# Altium PCB RFFE.PcbDoc (part 3 of 7)
Units mm, origin at the board's own origin, x right, y up, seen from the top; angles counter-clockwise.
Board outline 301.13 x 195.92 mm, 10 copper layers (RFsignal Top, Ground RF signal, Supply, SupplyGND, Digital signal, DigitalGND, CallTone RF, Ground Calltone, Ground RF signal (Plane6), RFsignal Bottom), stack 1.907 mm thick; 558 components, 369 nets, 2153 pads, 4580 vias.
Unrouted connection lines stored in the file: 1.
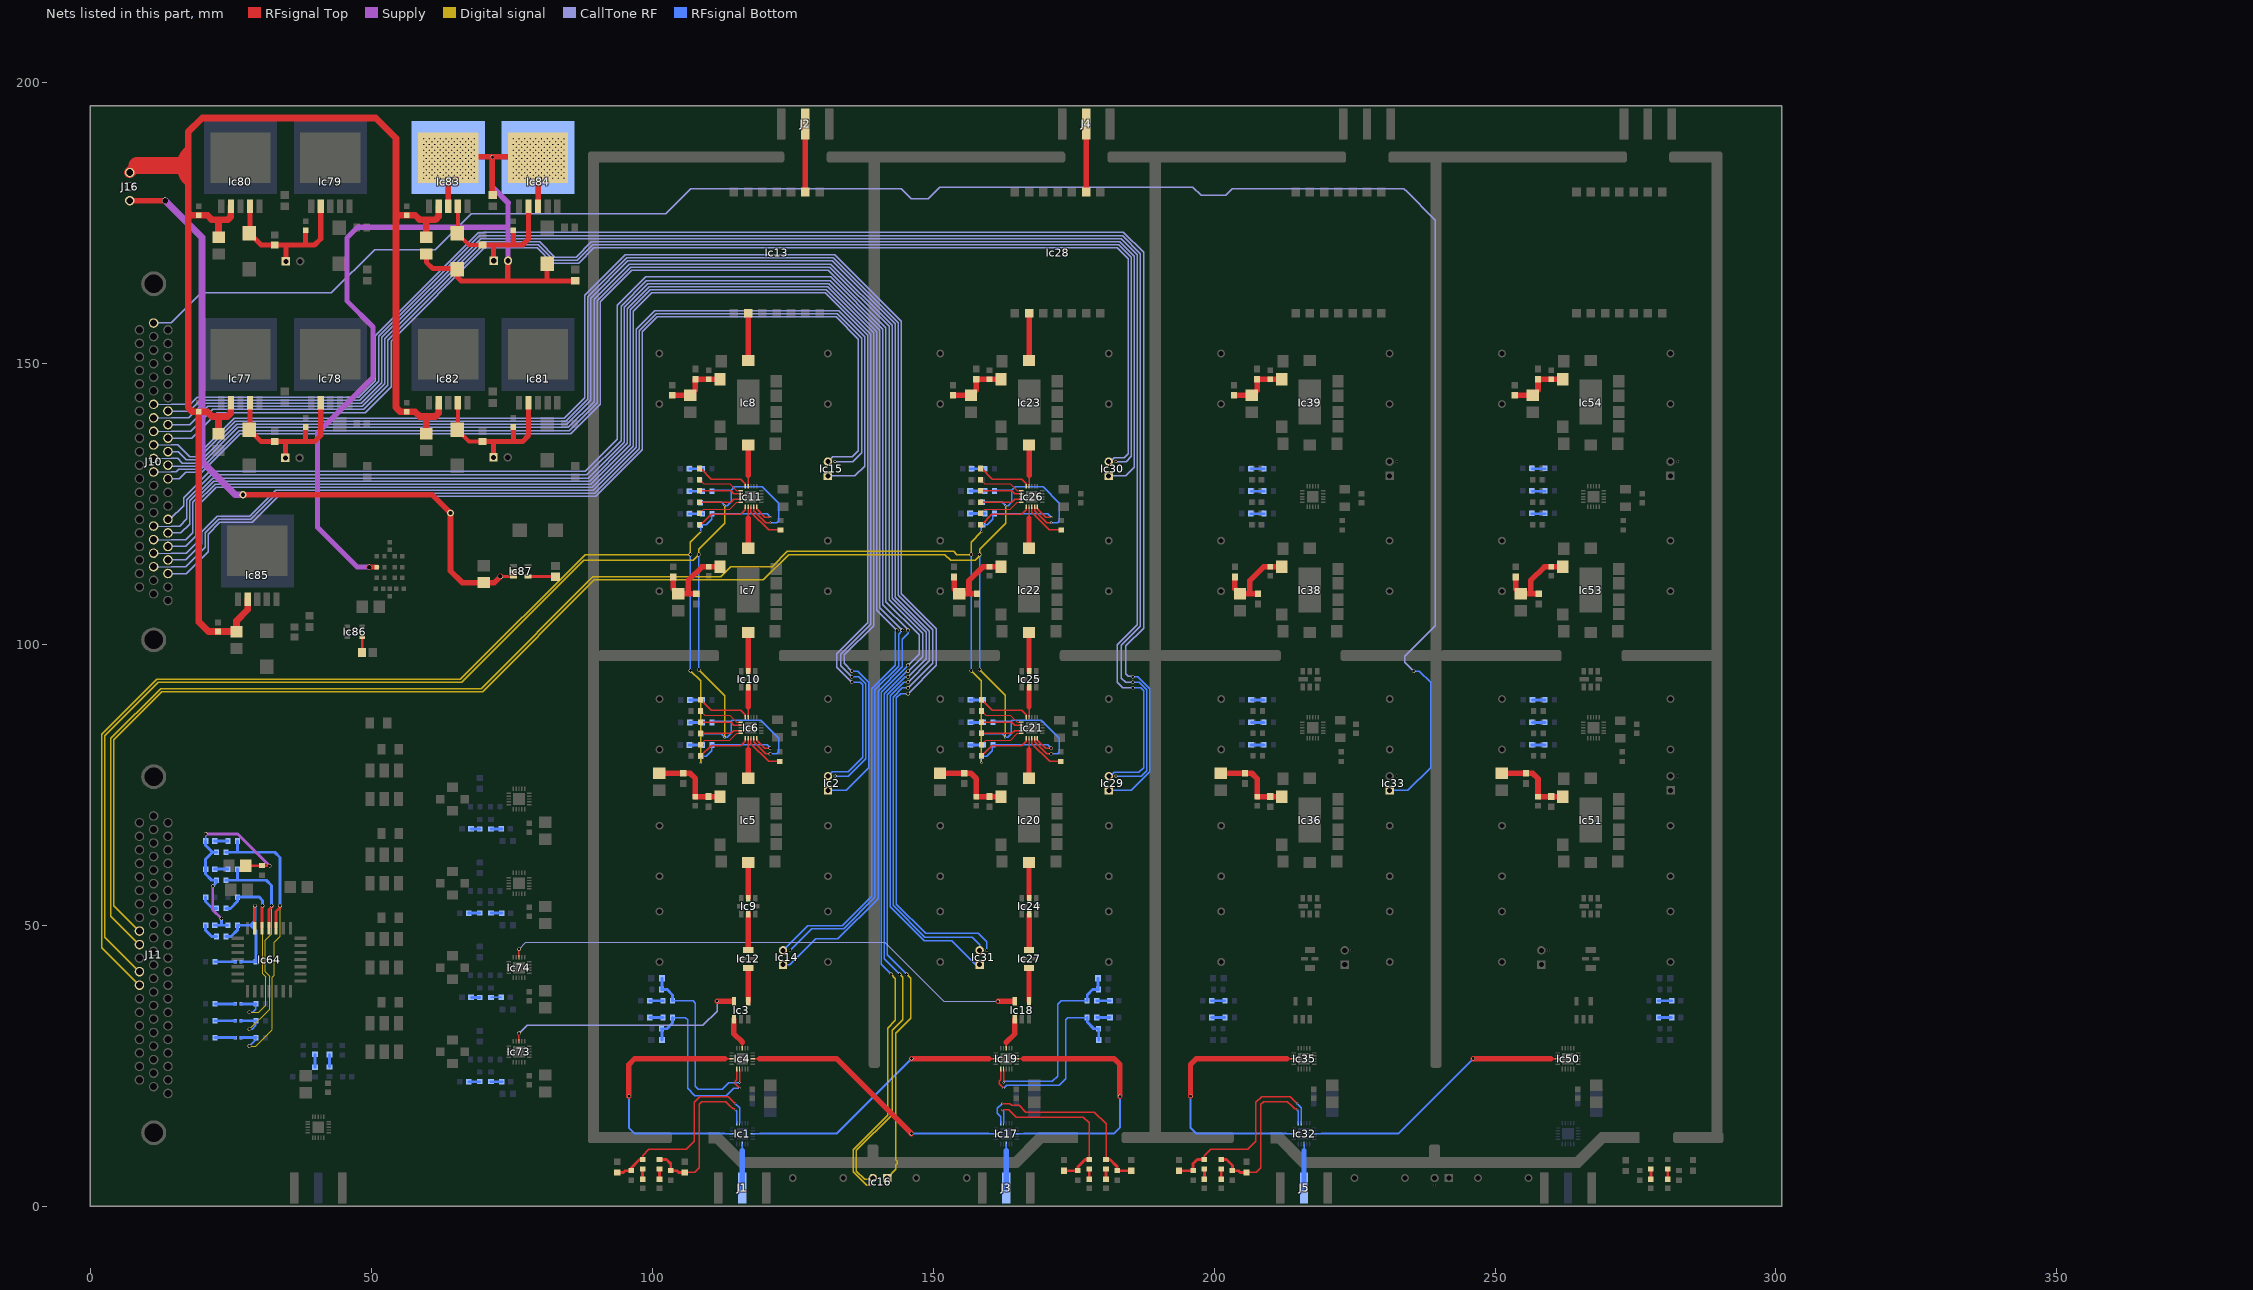
[diagram p11: the nets of this part, all layers, seen from the top]

## Via types
v1: diameter 0.35, hole 0.254, RFsignal Top to RFsignal Bottom, 1882 vias
v2: diameter 0.635, hole 0.508, RFsignal Top to RFsignal Bottom, 1038 vias
v3: diameter 0.33, hole 0.254, RFsignal Top to RFsignal Bottom, 963 vias
v4: diameter 0.381, hole 0.254, RFsignal Top to RFsignal Bottom, 596 vias
v5: diameter 1.27, hole 0.762, RFsignal Top to RFsignal Bottom, 41 vias
v6: diameter 3.9, hole 2.65, RFsignal Top to RFsignal Bottom, 20 vias
v7: diameter 0.85, hole 0.8, RFsignal Top to RFsignal Bottom, 15 vias
v8: diameter 0.635, hole 0.508, RFsignal Top to RFsignal Bottom, tented bottom, 9 vias
v9: diameter 0.6, hole 0.508, RFsignal Top to RFsignal Bottom, 8 vias
v10: diameter 5, hole 3.5, RFsignal Top to RFsignal Bottom, 4 vias
v11: diameter 1.1, hole 1, RFsignal Top to RFsignal Bottom, 2 vias
v12: diameter 1.27, hole 0.762, RFsignal Top to RFsignal Bottom, tented top, 1 vias
v13: diameter 0.85, hole 0.8, RFsignal Top to RFsignal Bottom, tented top, 1 vias

## Nets (pads, with @x,y where several pads share a name; then routed paths per layer and width w, separated by ;. In a path a pad name is that pad's centre, name@x,y a point inside that pad or via, vN(x,y) a via of type N, cw(c..) or ccw(c..) an arc to the next point about the centre after c; other vN are vias at no path point) (continued)
GNDCHD: C120.2 C121.2 C123.2 Ic83.3 Ic83.6 Ic84.3 Ic84.6 J14.2 Jmp2.1 pad.@63.65,186.65 pad.@79.65,186.65 R271.2 R272.2 | length 196.6
  RFsignal Top w0.9: v7(49.57,113.76) Jmp2.1@50.94,113.76 ; C123.2@59.75,169.6 59.75,168.05 60.9,166.9 C120.2@65.2,166.9 ; C120.2@65.25,166.8 65.25,165.4 65.95,164.7 R272.2@86.2,164.7 ; 74.24,164.84 J14.2@74.24,168.3 ; 81.25,164.75 C121.2@81.25,167.8
  RFsignal Top w1: Ic83.3@63.65,178 Ic83.6@63.65,186.65 ; Ic83.6@63.65,186.8 v2(71.5,186.8) ; R271.2@71.5,180.1 v2(71.5,186.8) ; Ic84.6@79.55,186.8 v2(71.5,186.8) ; Ic84.3@79.65,178 Ic84.6@79.65,186.65
  Supply w0.9: v7(49.57,113.76) 47.443,113.76 40.372,120.831 40.372,137.632 50.26,147.52 50.26,156.495 45.6,161.155 45.6,172.35 47.51,174.26 74.22,174.26 ; J14.2@74.29,168.3 74.29,178.635
  Supply w1: v2(71.5,186.8) 71.5,181.425 74.29,178.635
  other v1: 59.25,183 60.25,183 61.25,183 62.25,183.013 63.25,183 64.25,183 65.25,183 66.25,183 67.25,183 68.25,183.013 75.25,183 76.25,183 77.25,183 78.25,183.013 79.25,183 80.25,183 81.25,183 82.25,183 83.25,183 84.25,183.013 59.75,183.5 60.75,183.5 61.75,183.5 63.75,183.5 64.75,183.5 65.75,183.5 66.75,183.5 67.75,183.5 75.75,183.5 76.75,183.5 77.75,183.5 79.75,183.5 80.75,183.5 81.75,183.5 82.75,183.5 83.75,183.5 62.75,183.513 78.75,183.513 59.25,184 60.25,184 61.25,184 63.25,184 64.25,184 65.25,184 66.25,184 67.25,184 75.25,184 76.25,184 77.25,184 79.25,184 80.25,184 81.25,184 82.25,184 83.25,184 62.25,184.013 68.25,184.013 78.25,184.013 84.25,184.013 59.75,184.5 60.75,184.5 61.75,184.5 62.75,184.513 63.75,184.5 64.75,184.5 65.75,184.5 66.75,184.5 67.75,184.5 75.75,184.5 76.75,184.5 77.75,184.5 78.75,184.513 79.75,184.5 80.75,184.5 81.75,184.5 82.75,184.5 83.75,184.5 59.25,185 60.25,185 61.25,185 63.25,185 64.25,185 65.25,185 66.25,185 67.25,185 75.25,185 76.25,185 77.25,185 79.25,185 80.25,185 81.25,185 82.25,185 83.25,185 62.25,185.013 68.25,185.013 78.25,185.013 84.25,185.013 59.75,185.5 60.75,185.5 61.75,185.5 63.75,185.5 64.75,185.5 65.75,185.5 66.75,185.5 67.75,185.5 75.75,185.5 76.75,185.5 77.75,185.5 79.75,185.5 80.75,185.5 81.75,185.5 82.75,185.5 83.75,185.5 62.75,185.513 78.75,185.513 59.25,186 60.25,186 61.25,186 62.25,186.013 63.25,186 64.25,186 65.25,186 66.25,186 67.25,186 68.25,186.013 75.25,186 76.25,186 77.25,186 78.25,186.013 79.25,186 80.25,186 81.25,186 82.25,186 83.25,186 84.25,186.013 59.75,186.5 60.75,186.5 61.75,186.5 63.75,186.5 64.75,186.5 65.75,186.5 66.75,186.5 67.75,186.5 75.75,186.5 76.75,186.5 77.75,186.5 79.75,186.5 80.75,186.5 81.75,186.5 82.75,186.5 83.75,186.5 62.75,186.513 78.75,186.513 59.25,187 60.25,187 61.25,187 63.25,187 64.25,187 65.25,187 66.25,187 67.25,187 75.25,187 76.25,187 77.25,187 79.25,187 80.25,187 81.25,187 82.25,187 83.25,187 62.25,187.013 68.25,187.013 78.25,187.013 84.25,187.013 59.75,187.5 60.75,187.5 61.75,187.5 62.75,187.513 63.75,187.5 64.75,187.5 65.75,187.5 66.75,187.5 67.75,187.5 75.75,187.5 76.75,187.5 77.75,187.5 78.75,187.513 79.75,187.5 80.75,187.5 81.75,187.5 82.75,187.5 83.75,187.5 59.25,188 60.25,188 61.25,188 62.25,188.013 63.25,188 64.25,188 65.25,188 66.25,188 67.25,188 68.25,188.013 75.25,188 76.25,188 77.25,188 78.25,188.013 79.25,188 80.25,188 81.25,188 82.25,188 83.25,188 84.25,188.013 59.75,188.5 60.75,188.5 61.75,188.5 63.75,188.5 64.75,188.5 65.75,188.5 66.75,188.5 67.75,188.5 75.75,188.5 76.75,188.5 77.75,188.5 79.75,188.5 80.75,188.5 81.75,188.5 82.75,188.5 83.75,188.5 62.75,188.513 78.75,188.513 59.25,189 60.25,189 61.25,189 62.25,189.013 63.25,189 64.25,189 65.25,189 66.25,189 67.25,189 68.25,189.013 75.25,189 76.25,189 77.25,189 78.25,189.013 79.25,189 80.25,189 81.25,189 82.25,189 83.25,189 84.25,189.013 59.75,189.5 60.75,189.5 61.75,189.5 62.75,189.513 63.75,189.5 64.75,189.5 65.75,189.5 66.75,189.5 67.75,189.5 75.75,189.5 76.75,189.5 77.75,189.5 78.75,189.513 79.75,189.5 80.75,189.5 81.75,189.5 82.75,189.5 83.75,189.5 59.25,190 60.25,190 61.25,190 63.25,190 64.25,190 65.25,190 66.25,190 67.25,190 75.25,190 76.25,190 77.25,190 79.25,190 80.25,190 81.25,190 82.25,190 83.25,190 62.25,190.013 68.25,190.013 78.25,190.013 84.25,190.013
NetC1_2: C1.2 C131.1 C132.1 Ic5.7 L1.1 | length 14.5
  RFsignal Top w1: C131.1@101.2,77.05 L1.1@105.5,77.05 106.7,77.05 107.65,76.1 C1.2@107.65,72.9 107.69,72.86 Ic5.7@112.04,72.86
NetC2_1: C2.1 C133.1 C134.1 Ic8.7 L2.2 | length 10.9
  RFsignal Top w1: L2.2@103.53,144.34 C133.1@106.72,144.34 107.65,145.27 C134.1@107.65,147.22 C2.1@110,147.22 Ic8.7@112.05,147.22
NetC3_2: C3.2 C135.1 C136.1 Ic7.7 L3.1 | length 15.6
  RFsignal Top w1: L3.1@103.7,112 103.7,109.9 C135.1@104.6,109 C136.1@107.8,109 ; 106.35,109 106.35,111.35 108.8,113.8 C3.2@110,113.8 Ic7.7@112.03,113.8
NetC8_1: C8.1 R22.1 | length 2.2
  RFsignal Bottom w0.508: C8.1@106.65,90.1 R22.1@108.9,90.1
NetC9_1: C9.1 R23.1 | length 2.2
  RFsignal Bottom w0.508: C9.1@106.65,86.1 R23.1@108.9,86.1
NetC10_1: C10.1 R24.1 | length 2.3
  RFsignal Bottom w0.508: C10.1@106.55,82.1 R24.1@108.9,82.1
NetC11_1: C11.1 R27.1 | length 2.2
  RFsignal Bottom w0.508: C11.1@106.65,131.27 R27.1@108.9,131.27
NetC12_1: C12.1 R28.1 | length 2.2
  RFsignal Bottom w0.508: C12.1@106.65,127.27 R28.1@108.9,127.27
NetC13_1: C13.1 R29.1 | length 2.3
  RFsignal Bottom w0.508: C13.1@106.55,123.27 R29.1@108.9,123.27
NetC14_2: C14.2 R30.1 | length 3.7
  RFsignal Top w0.508: C14.2@101.25,4.75 C14.2@101.23,4.75 ; R30.1@101.25,6.6 R30.1@101.23,6.6 ; C14.2@101.23,4.75 R30.1@101.23,6.6 ; C14.2@101.23,4.75 R30.1@101.23,6.6
NetC15_2: C15.2 R31.1 | length 1.9
  RFsignal Top w0.508: C15.2@98.25,4.75 R31.1@98.25,6.6
NetC16_2: C16.2 R32.1 | length 2.4
  RFsignal Bottom w0.508: C16.2@99.55,33.57 R32.1@101.9,33.57
NetC17_2: C17.2 R33.1 | length 2.4
  RFsignal Bottom w0.508: C17.2@99.55,36.57 R33.1@101.9,36.57
NetC22_1: C22.1 C138.1 C140.1 Ic23.7 L4.2 | length 10.9
  RFsignal Top w1: L4.2@153.53,144.34 C138.1@156.72,144.34 157.65,145.27 C140.1@157.65,147.22 C22.1@160,147.22 Ic23.7@162.05,147.22
NetC23_2: C23.2 C137.1 C139.1 Ic20.7 L5.1 | length 14.5
  RFsignal Top w1: C137.1@151.2,77.05 L5.1@155.5,77.05 156.7,77.05 157.65,76.1 C23.2@157.65,72.9 157.69,72.86 Ic20.7@162.04,72.86
NetC24_2: C24.2 C141.1 C144.1 Ic22.7 L6.1 | length 15.6
  RFsignal Top w1: L6.1@153.7,112 153.7,109.9 C141.1@154.6,109 156.35,109 ; C144.1@157.8,109 156.35,109 ; Ic22.7@162.04,113.81 158.81,113.81 156.35,111.35 156.35,109
NetC29_1: C29.1 R74.1 | length 2.2
  RFsignal Bottom w0.508: C29.1@156.55,90.1 R74.1@158.8,90.1
NetC30_1: C30.1 R75.1 | length 2.2
  RFsignal Bottom w0.508: C30.1@156.55,86.1 R75.1@158.8,86.1
NetC31_1: C31.1 R76.1 | length 2.3
  RFsignal Bottom w0.508: C31.1@156.45,82.1 R76.1@158.8,82.1
NetC32_1: C32.1 R77.1 | length 2.2
  RFsignal Bottom w0.508: C32.1@156.65,131.27 R77.1@158.9,131.27
NetC33_1: C33.1 R78.1 | length 2.7
  RFsignal Bottom w0.508: C33.1@156.53,127.3 R78.1@159.18,127.3
NetC34_1: C34.1 R79.1 | length 2.7
  RFsignal Bottom w0.508: C34.1@156.53,123.3 R79.1@159.18,123.3
NetC35_2: C35.2 R80.1 | length 3.7
  RFsignal Top w0.508: C35.2@180.75,4.75 C35.2@180.758,4.758 ; R80.1@180.75,6.6 R80.1@180.758,6.6 ; C35.2@180.758,4.758 R80.1@180.758,6.6 ; C35.2@180.758,4.758 R80.1@180.758,6.6
NetC36_2: C36.2 R81.1 | length 3.7
  RFsignal Top w0.508: C36.2@177.75,4.75 C36.2@177.76,4.76 ; R81.1@177.75,6.6 R81.1@177.76,6.6 ; C36.2@177.76,4.76 R81.1@177.76,6.6 ; C36.2@177.76,4.76 R81.1@177.76,6.6
NetC37_2: C37.2 R82.1 | length 2.4
  RFsignal Bottom w0.508: R82.1@179.1,33.57 C37.2@181.45,33.57
NetC38_2: C38.2 R83.1 | length 2.4
  RFsignal Bottom w0.508: R83.1@179.1,36.57 C38.2@181.45,36.57
NetC43_1: C43.1 C142.1 C145.1 Ic36.7 L7.1 | length 14.5
  RFsignal Top w1: C142.1@201.2,77.05 L7.1@205.5,77.05 206.7,77.05 207.65,76.1 C43.1@207.65,72.9 207.69,72.86 Ic36.7@212.04,72.86
NetC44_1: C44.1 C147.1 C148.1 Ic39.7 L8.2 | length 10.9
  RFsignal Top w1: L8.2@203.53,144.34 C147.1@206.72,144.34 207.65,145.27 C148.1@207.65,147.22 Ic39.7@212.05,147.22
NetC45_2: C45.2 C143.1 C146.1 Ic38.7 L9.1 | length 15.5
  RFsignal Top w1: L9.1@203.7,112 203.7,109.9 C143.1@204.6,109 C146.1@207.8,109 ; 206.35,109.15 206.35,111.35 208.81,113.81 Ic38.7@212.04,113.81
NetC50_1: C50.1 R122.1 | length 2.2
  RFsignal Bottom w0.508: C50.1@206.65,90.1 R122.1@208.9,90.1
NetC51_1: C51.1 R123.1 | length 2.2
  RFsignal Bottom w0.508: C51.1@206.65,86.1 R123.1@208.9,86.1
NetC52_1: C52.1 R124.1 | length 2.3
  RFsignal Bottom w0.508: C52.1@206.55,82.1 R124.1@208.9,82.1
NetC53_1: C53.1 R125.1 | length 2.2
  RFsignal Bottom w0.508: C53.1@206.65,131.27 R125.1@208.9,131.27
NetC54_1: C54.1 R126.1 | length 2.2
  RFsignal Bottom w0.508: C54.1@206.65,127.27 R126.1@208.9,127.27
NetC55_1: C55.1 R127.1 | length 2.3
  RFsignal Bottom w0.508: C55.1@206.55,123.27 R127.1@208.9,123.27
NetC56_2: C56.2 R128.1 | length 3.7
  RFsignal Top w0.508: C56.2@201.25,4.75 C56.2@201.255,4.755 ; R128.1@201.25,6.6 R128.1@201.255,6.6 ; C56.2@201.255,4.755 R128.1@201.255,6.6 ; C56.2@201.255,4.755 R128.1@201.255,6.6
NetC57_2: C57.2 R129.1 | length 3.7
  RFsignal Top w0.508: C57.2@198.25,4.75 C57.2@198.258,4.758 ; R129.1@198.25,6.6 R129.1@198.258,6.6 ; C57.2@198.258,4.758 R129.1@198.258,6.6 ; C57.2@198.258,4.758 R129.1@198.258,6.6
NetC58_2: C58.2 R130.1 | length 2.4
  RFsignal Bottom w0.508: C58.2@199.55,33.57 R130.1@201.9,33.57
NetC59_2: C59.2 R131.1 | length 2.4
  RFsignal Bottom w0.508: C59.2@199.55,36.57 R131.1@201.9,36.57
NetC64_2: C64.2 C149.1 C151.1 Ic51.7 L10.1 | length 14.5
  RFsignal Top w1: C149.1@251.2,77.05 L10.1@255.5,77.05 256.7,77.05 257.65,76.1 C64.2@257.65,72.9 262,72.9 Ic51.7@262.04,72.86
NetC65_1: C65.1 C153.1 C154.1 Ic54.7 L11.2 | length 10.9
  RFsignal Top w1: L11.2@253.53,144.34 C154.1@256.72,144.34 257.65,145.27 C153.1@257.65,147.22 C65.1@260,147.22 Ic54.7@262.05,147.22
NetC66_2: C66.2 C150.1 C152.1 Ic53.7 L12.1 | length 15.5
  RFsignal Top w1: L12.1@253.7,112 253.7,109.9 C150.1@254.6,109 C152.1@257.8,109 ; 256.35,109.15 256.35,111.35 258.81,113.81 Ic53.7@262.04,113.81
NetC72_1: C72.1 R174.1 | length 2.2
  RFsignal Bottom w0.508: C72.1@256.65,90.1 R174.1@258.9,90.1
NetC73_1: C73.1 R175.1 | length 2.2
  RFsignal Bottom w0.508: C73.1@256.65,86.1 R175.1@258.9,86.1
NetC74_1: C74.1 R176.1 | length 2.3
  RFsignal Bottom w0.508: C74.1@256.55,82.1 R176.1@258.9,82.1
NetC75_2: C75.2 R180.1 | length 2.4
  RFsignal Bottom w0.508: R180.1@279.1,33.57 C75.2@281.45,33.57
NetC76_2: C76.2 R181.1 | length 2.4
  RFsignal Bottom w0.508: R181.1@279.1,36.57 C76.2@281.45,36.57
NetC77_1: C77.1 R177.1 | length 2.2
  RFsignal Bottom w0.508: C77.1@256.65,131.27 R177.1@258.9,131.27
NetC78_1: C78.1 R178.1 | length 2.2
  RFsignal Bottom w0.508: C78.1@256.65,127.27 R178.1@258.9,127.27
NetC79_1: C79.1 R179.1 | length 2.3
  RFsignal Bottom w0.508: C79.1@256.55,123.27 R179.1@258.9,123.27
NetC80_2: C80.2 R182.1 | length 1.9
  RFsignal Top w0.508: C80.2@280.75,4.75 R182.1@280.75,6.6
NetC81_2: C81.2 R183.1 | length 3.7
  RFsignal Top w0.508: C81.2@277.75,4.75 C81.2@277.76,4.76 ; R183.1@277.75,6.6 R183.1@277.76,6.6 ; C81.2@277.76,4.76 R183.1@277.76,6.6 ; C81.2@277.76,4.76 R183.1@277.76,6.6
NetC87_1: C87.1 R207.1 | length 2.2
  RFsignal Bottom w0.508: R207.1@42.5,24.74 C87.1@42.5,26.97
NetC88_1: C88.1 R208.1 | length 2.3
  RFsignal Bottom w0.508: R208.1@39.93,24.72 C88.1@39.93,27.02
NetC89_1: C89.1 R209.1 | length 3.2
  RFsignal Bottom w0.508: C89.1@20.45,55 20.45,54.2 21.65,53 R209.1@22.4,53
NetC90_1: C90.1 R210.1 | length 3.3
  RFsignal Bottom w0.508: C90.1@20.45,50 20.45,49.1 21.55,48 R210.1@22.4,48
NetC90_2: C90.2 C91.2 C92.2 C95.1 R216.1 R217.1 R218.1 R219.2 | length 40.4
  RFsignal Top w0.508: C95.1@27.6,60.6 R219.2@30.5,60.6 v2@31.833,60.6
  Supply w0.508: v2@20.534,66.255 26.178,66.255 v2(31.844,60.589) ; v2(21.73,56.932) 21.73,52.703 v2(23.258,51.175)
  RFsignal Bottom w0.254: C91.2@20.454,65.004 v2(20.454,66.255)
  RFsignal Bottom w0.508: C91.2@20.45,65 20.45,64.25 21.7,63 ; v2(21.73,56.932) 22.4,57.602 R218.1@22.4,58 21.55,58 20.45,59.1 C92.2@20.45,60 20.45,61.75 21.7,63 ; C90.2@22.05,50 R216.1@24.4,50 ; R217.1@22.4,63 21.7,63 ; 23.258,50.031 v2(23.258,51.175)
NetC91_1: C91.1 R211.1 | length 2.4
  RFsignal Bottom w0.508: C91.1@22.05,65 R211.1@24.4,65
NetC92_1: C92.1 R212.1 | length 2.4
  RFsignal Bottom w0.508: C92.1@22.05,60 R212.1@24.4,60
NetC96_1: C96.1 R233.1 | length 1.9
  RFsignal Bottom w0.508: C96.1@67.3,22.15 R233.1@69.25,22.15
NetC97_1: C97.1 R234.1 | length 1.9
  RFsignal Bottom w0.508: R234.1@71.25,22.15 C97.1@73.2,22.15
NetC98_1: C98.1 R235.1 | length 1.5
  RFsignal Bottom w0.508: C98.1@67.775,37.15 R235.1@69.25,37.15
NetC99_1: C99.1 R236.1 | length 1.8
  RFsignal Bottom w0.254: R236.1@71.25,37.15 C99.1@73.1,37.15
NetC100_1: C100.1 R237.1 | length 1.5
  RFsignal Bottom w0.508: C100.1@67.7,67.15 R237.1@69.25,67.15
NetC101_1: C101.1 R238.1 | length 1.9
  RFsignal Bottom w0.508: R238.1@71.25,67.15 C101.1@73.2,67.15
NetC102_1: C102.1 R239.1 | length 1.9
  RFsignal Bottom w0.508: C102.1@67.3,52.15 R239.1@69.25,52.15
NetC103_1: C103.1 R240.1 | length 1.9
  RFsignal Bottom w0.508: R240.1@71.25,52.15 C103.1@73.2,52.15
NetC112_1: C112.1 Ic77.4 Ic78.2 J13.1 R250.2 R253.1 | length 30.1
  RFsignal Top w0.9: Ic77.4@28.352,143 28.352,138.302 C112.1@28.25,138.2 30.35,136.1 R253.1@32.75,136.1 39.85,136.1 40.948,137.198 Ic78.2@40.948,143 ; J13.1@34.7,133.2 34.7,136 ; 38.25,136.1 R250.2@38.25,138.7
NetC114_1: C114.1 Ic79.2 Ic80.4 J12.1 R252.2 R255.1 | length 29.9
  RFsignal Top w0.9: C114.1@28.25,173.2 30.35,171.1 38.25,171.1 ; C114.1@28.352,173.302 Ic80.4@28.352,178 ; J12.1@34.75,168.2 34.75,171 ; R252.2@38.25,173.7 38.25,171.1 ; Ic79.2@40.948,178 40.948,172.198 39.85,171.1 38.25,171.1
NetC116_1: C116.1 C117.1 C122.1 C123.1 C128.1 Ic77.2 Ic80.2 Ic82.2 Ic83.2 Ic85.2 J16.1 R249.2 R251.2 R261.2 R263.2 R273.2 | length 260.3
  RFsignal Top w0.508: 17.35,177.6 cw(c16.25,176.4) 17.878,176.4 ; 54.35,177.51 cw(c53.25,176.31) 54.45,175.21
  RFsignal Top w1.2: 17.387,176.4 17.878,176.4 R251.2@19.25,176.4 20.77,176.4 21.591,175.579 24.351,175.579 24.948,176.176 Ic80.2@24.948,178 ; C116.1@22.75,137.5 22.75,140.577 ; C117.1@22.75,172.5 22.75,175.577 ; Ic77.2@24.948,143 24.948,141.176 24.351,140.579 21.591,140.579 20.77,141.4 R249.2@19.25,141.4 ; C128.1@25.9,102.3 R273.2@22.65,102.3 20.95,102.3 19.25,104 R249.2@19.25,141.4 ; C128.1@25.95,102.25 25.95,104.2 27.948,106.198 Ic85.2@27.948,108 ; 54.387,176.4 57.77,176.4 58.591,175.579 61.351,175.579 61.948,176.176 Ic83.2@61.948,178 ; C122.1@59.75,137.5 59.75,140.577 ; C123.1@59.75,172.5 59.75,175.577 ; Ic82.2@61.948,143 61.948,141.176 61.351,140.579 58.591,140.579 57.77,141.4 R261.2@56.25,141.4 55.15,141.4 54.35,142.2 54.35,190.1 50.75,193.7 19.85,193.7 17.35,191.2 17.35,177.6 17.35,142.2 18.15,141.4 R249.2@19.25,141.4
  RFsignal Top w1.4: 17.1,187.85 ccw(c19.825,185.175) 17.15,182.45
  RFsignal Top w2: J16.1@6.95,184 8.2,185.25
  RFsignal Top w3: 8.2,185.25 16.1,185.25
NetC118_1: C118.1 Ic81.2 Ic82.4 J15.1 R262.2 R265.1 | length 29.9
  RFsignal Top w0.7: C118.1@65.25,138.2 67.35,136.1 R265.1@69.75,136.1 ; C118.1@65.352,138.302 Ic82.4@65.352,143
  RFsignal Top w0.9: R265.1@69.75,136.1 76.85,136.1 77.948,137.198 Ic81.2@77.948,143 ; J15.1@71.7,133.2 71.7,136 ; 75.25,136.1 R262.2@75.25,138.7
NetC120_1: C120.1 Ic83.4 Ic84.2 J14.1 R264.2 R267.1 | length 29.9
  RFsignal Top w0.7: C120.1@65.25,173.2 67.35,171.1 R267.1@69.75,171.1 ; C120.1@65.352,173.302 Ic83.4@65.352,178
  RFsignal Top w0.9: R267.1@69.75,171.1 76.85,171.1 77.948,172.198 Ic84.2@77.948,178 ; J14.1@71.7,168.3 71.7,171.1 ; 75.25,171.1 R264.2@75.25,173.7
NetC124_2: C124.2 Ic87.2 Ic87.3 J16.3 | length 127.3
  RFsignal Top w0.508: v7(72.95,112.1) Ic87.3@75.25,112.1 Ic87.2@75.25,113.05
  RFsignal Top w1: J16.3@6.95,179 v11(13.25,179) ; v5(27.09,126.63) 60.82,126.63 v5(64.05,123.4) 64.05,113.1 66.15,111 71.85,111 v7(72.95,112.1)
  Supply w1.2: v11(13.25,179) 19.79,172.46 19.79,132.59 25.75,126.63 v5(27.09,126.63)
NetC126_2: C126.2 Ic87.4 | length 4.8
  RFsignal Top w0.508: Ic87.4@77.85,112.1 C126.2@82.7,112.1
NetC130_1: C130.1 Ic86.4 | length 2.7
  RFsignal Top w0.508: C130.1@48.35,98.65 Ic86.4@48.35,101.3
NetD1_1: D1.1 Ic64.14 R205.2 R209.2 R215.2 | length 39
  RFsignal Top w0.508: Ic64.14@30.47,49.48 v2@30.47,53.22
  Digital signal w0.127: v2(28.25,34.5) 29.883,34.5 31.153,35.771 31.153,40.803 30.59,41.367 v2@30.59,53.489
  RFsignal Bottom w0.254: v2(28.25,34.5) 28.83,34.5 29.4,35.07 R205.2@29.4,36
  RFsignal Bottom w0.508: R209.2@24.1,53 24.9,53 26.1,54.2 R215.2@26.1,55 30,55 30.6,54.4 v2(30.6,53.5) ; D1.1@26.75,36 R205.2@29.4,36
NetD1_2: D1.2 R198.2 | length 3.6
  RFsignal Bottom w0.508: R198.2@22.1,36 D1.2@25.75,36
NetD2_1: D2.1 Ic64.13 R203.2 R210.2 R216.2 | length 23.1
  RFsignal Top w0.508: Ic64.13@29.2,49.48 v2@29.2,53.45
  RFsignal Bottom w0.508: R210.2@24.1,48 25,48 26.1,49.1 R216.2@26.1,50 28.45,50 ; D2.1@26.75,43.5 R203.2@29.4,43.5 29.4,49.05 28.45,50 ; v2(29.25,53.5) 29.25,50.8 28.45,50
NetD2_2: D2.2 R197.2 | length 3.6
  RFsignal Bottom w0.508: R197.2@22.1,43.5 D2.2@25.75,43.5
NetD3_1: D3.1 Ic64.16 R202.2 R211.2 R217.2 | length 57.3
  RFsignal Top w0.508: Ic64.16@33.01,49.48 33.01,52.448 33.75,53.188 v2@33.75,53.5
  Digital signal w0.127: v2(28.25,28.5) 29.38,28.5 32.297,31.417 ; 32.297,31.448 32.297,40.745 32.65,41.098 32.65,47 33.72,48.07 v2@33.72,53.48
  RFsignal Bottom w0.254: v2(28.25,28.5) 29.4,29.65 R202.2@29.4,30
  RFsignal Bottom w0.508: R217.2@24.1,63 32.75,63 33.7,62.05 v2(33.7,53.5) ; 26.1,63.05 R211.2@26.1,65 ; D3.1@26.75,30 R202.2@29.4,30
NetD3_2: D3.2 R199.2 | length 3.6
  RFsignal Bottom w0.508: R199.2@22.1,30 D3.2@25.75,30
NetD4_1: D4.1 Ic64.15 R201.2 R212.2 R218.2 | length 47.5
  RFsignal Top w0.508: Ic64.15@31.74,49.48 31.74,52.794 32.25,53.304 v2@32.25,53.5
  Digital signal w0.127: v2(28.25,31.5) 31.84,35.09 31.84,40.916 31.047,41.709 31.047,47.297 32.2,48.45 v2(32.2,53.5)
  RFsignal Bottom w0.254: v2(28.25,31.5) 28.74,31.5 29.4,32.16 R201.2@29.4,33
  RFsignal Bottom w0.508: R218.2@24.1,58 31.25,58 32.2,57.05 v2(32.2,53.5) ; 26.1,58 R212.2@26.1,60 ; D4.1@26.75,33 R201.2@29.4,33
NetD4_2: D4.2 R200.2 | length 3.6
  RFsignal Bottom w0.508: R200.2@22.1,33 D4.2@25.75,33